# Altium PCB netv2mvp-testhat-v1-route.PCBDOC (part 2 of 2)
Units mm, origin at the board's own origin, x right, y up, seen from the top; angles counter-clockwise.
Board outline 90.8 x 114.86 mm, 4 copper layers (L1, L2, L5, L6), stack 1.561 mm thick; 144 components, 114 nets, 1118 pads, 195 vias.
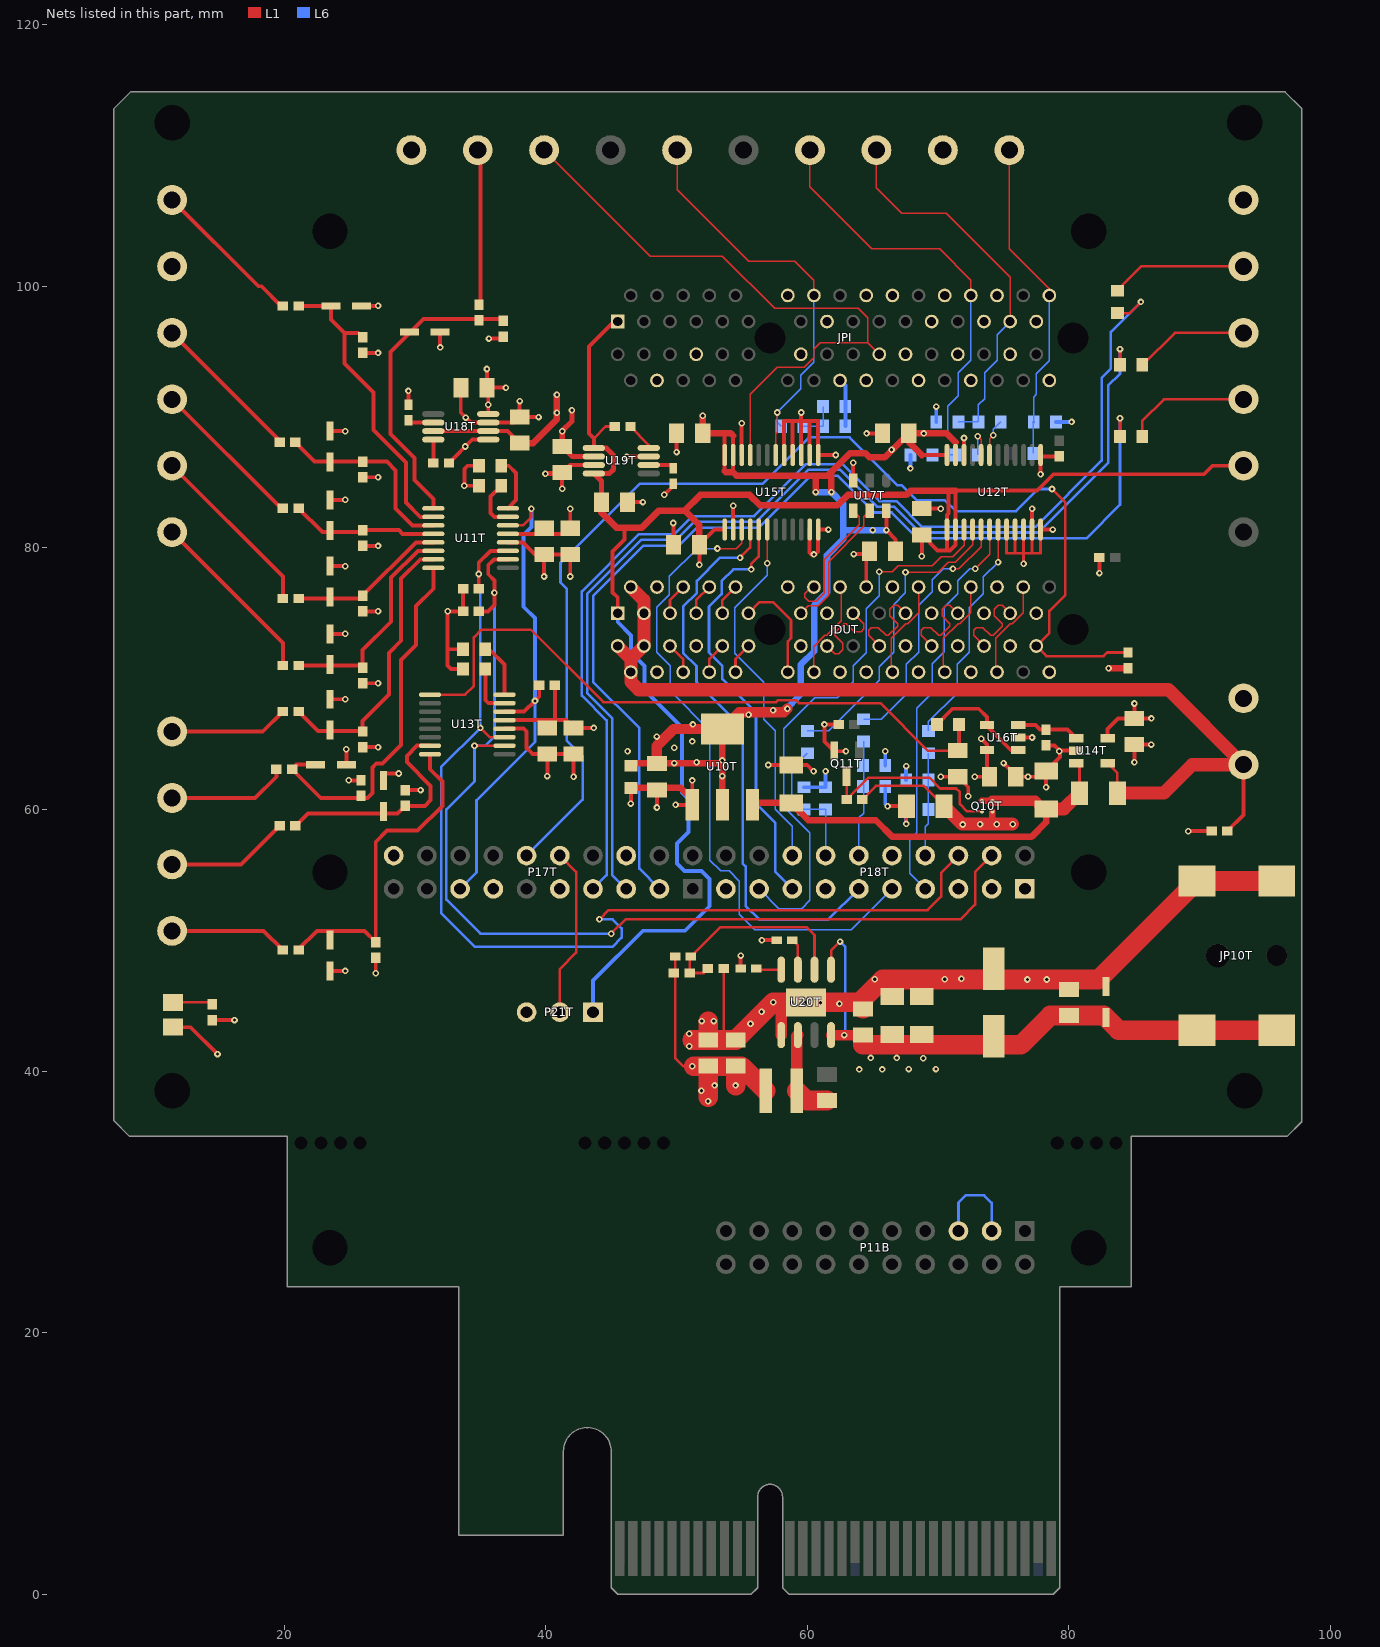
[diagram p4: the nets of this part, all layers, seen from the top]

## Via types
v1: diameter 0.5, hole 0.25, L1 to L6, 190 vias
v2: diameter 0.5, hole 0.25, L1 to L6, tented top, 5 vias

## Nets (pads, with @x,y where several pads share a name; then routed paths per layer and width w, separated by ;. In a path a pad name is that pad's centre, name@x,y a point inside that pad or via, vN(x,y) a via of type N, cw(c..) or ccw(c..) an arc to the next point about the centre after c; other vN are vias at no path point) (continued)
DUT_TCK_R: C25T.2 JPI.A32 P26T.1 R30T.1 | length 25
  L1 w0.1: P26T.1@75.438,110.41 75.438,102.862 78.5,99.8 JPI.A32@78.5,99.3
  L6 w0.1: R30T.1@77.275,87.225 C25T.2@77.275,89.6 ; C25T.2@77.3,89.625 77.3,91.525 77.5,91.725 77.5,93.3 78.5,94.3 JPI.A32@78.5,99.3
  L6 w0.2: C25T.2@77.275,89.6 C25T.2@77.3,89.625
DUT_TDI: R28T.2 U12T.20 | length 3
  L1 w0.1: v1(73.025,88.525) 73.275,88.275 U12T.20@73.275,87.1
  L6 w0.1: R28T.2@73.025,87.1 v1(73.025,88.525)
DUT_TDI_R: C23T.2 JPI.A26 P24T.2 R28T.1 | length 34.1
  L1 w0.1: P24T.2@60.198,110.41 60.198,107.602 64.938,102.862 70.113,102.862 72.5,100.475 JPI.A26@72.5,99.3
  L6 w0.1: C23T.2@69.575,87.1 R28T.1@71.325,87.1 71.325,88.025 70.725,88.625 70.725,90.835 71.525,91.635 71.525,93.375 72.475,94.325 JPI.A26@72.475,99.275
DUT_TDO: C32T.2 R50T.1 R51T.2 | length 3
  L6 w0.1: R50T.1@59.7,89.3 R51T.2@61.2,89.3 C32T.2@61.2,90.8
DUT_TDO_R: JPI.A14 P25T.2 R50T.2 U15T.18 | length 32.1
  L1 w0.1: P25T.2@50.038,110.41 50.038,107.362 55.5,101.9 59.05,101.9 60.5,100.45 JPI.A14@60.5,99.3 ; U15T.18@57.575,87.1 57.575,88.725 57.7,88.85 v1(57.7,90.35)
  L6 w0.1: R50T.2@58,89.3 57.7,89.6 v1(57.7,90.35) 59.5,92.15 59.5,93.2 60.5,94.2 JPI.A14@60.5,99.3
DUT_TMS: R29T.2 U12T.19 | length 2.9
  L1 w0.1: U12T.19@73.925,87.1 73.925,88.325 v1(74.2,88.6)
  L6 w0.1: v1(74.2,88.6) 74.2,89.05 R29T.2@74.775,89.625
DUT_TMS_R: C24T.2 JPI.A29 P24T.1 R29T.1 | length 29.5
  L1 w0.1: P24T.1@65.278,110.41 65.278,107.522 67.2,105.6 70.6,105.6 75.5,100.7 JPI.A29@75.5,97.3
  L6 w0.1: C24T.2@71.55,89.625 R29T.1@73.075,89.625 73.075,90.925 73.55,91.4 73.55,93.4 74.5,94.35 74.5,96.3 JPI.A29@75.5,97.3
DUT_TX: JPI.B19 P23T.2 U15T.21 | length 48.8
  L1 w0.1: P23T.2@39.878,110.41 47.988,102.3 53.5,102.3 57.5,98.3 63.9,98.3 64.6,97.6 64.6,95.7 ; U15T.21@55.625,87.1 55.625,91.725 57.7,93.8 59.75,93.8 60.5,94.55 60.5,95.2 61,95.7 64.6,95.7 ; JPI.B19@65.5,94.8 64.6,95.7
FPGA_DONE: P18T.11 U15T.4 | length 43.8
  L1 w0.2: v1(54.85,79.25) 55.625,80.025 U15T.4@55.625,81.4
  L6 w0.2: v1(54.85,79.25) 53.325,79.25 51.55,77.475 51.55,76.55 50.5,75.5 50.5,71.975 51.525,70.95 51.525,69.75 55.05,66.225 55.05,55.875 55.275,55.65 55.275,52.625 56.325,51.575 61.575,51.575 P18T.11@63.93,53.93
FPGA_INIT: P18T.15 U15T.5 | length 32.5
  L1 w0.2: v1(55.7,78.35) 55.7,78.75 56.275,79.325 U15T.5@56.275,81.4
  L6 w0.2: v1(55.7,78.35) 54.35,78.35 53.45,77.45 53.45,76.475 52.475,75.5 52.475,72 53.5,70.975 53.5,69.975 56.075,67.4 56.075,60.45 57.55,58.975 57.55,55.23 P18T.15@58.85,53.93
FPGA_PROGRAM_B: P18T.17 U12T.3 | length 43.3
  L1 w0.1: v1(65.5,78.175) 66.475,78.175 66.95,78.65 69.55,78.65 70.225,79.325 71.1,79.325 71.975,80.2 U12T.3@71.975,81.4
  L6 w0.1: P18T.17@56.31,53.93 57.815,52.425 59.55,52.425 60.175,53.05 60.175,58.2 58.175,60.2 58.175,66.175 60.55,68.55 62.3,68.55 63.5,69.75 63.5,70.975 64.5,71.975 64.5,75.35 65.5,76.35 v1(65.5,78.175)
FPGA_TCK: C10T.2 P18T.8 R10T.1 R11T.2 | length 7.9
  L6 w0.1: P18T.8@69.01,56.47 69.01,58.66 69.25,58.9 R11T.2@69.25,60 C10T.2@69.25,62.25 R10T.1@69.25,64.3
FPGA_TCK_R: R10T.2 U12T.7 | length 17.6
  L1 w0.1: v1(74.575,78.9) U12T.7@74.575,81.4
  L6 w0.1: R10T.2@69.25,66 69.25,66.7 71.45,68.9 71.45,71.1 72.38,72.03 72.38,75.405 73.45,76.475 73.45,77.775 v1(74.575,78.9)
FPGA_TDI: C15T.2 P18T.14 R14T.1 R17T.2 | length 10.5
  L6 w0.1: R14T.1@60,64.3 58.8,63.1 58.8,60.775 59.575,60 C15T.2@59.75,60 R17T.2@61.39,60 P18T.14@61.39,56.47
FPGA_TDI_R: R14T.2 U12T.4 | length 23.4
  L1 w0.1: v1(67.5,78.125) 70,78.125 70.775,78.9 71.3,78.9 72.625,80.225 U12T.4@72.625,81.4
  L6 w0.1: R14T.2@60,66 61.625,66 65.5,69.875 65.5,70.925 66.6,72.025 66.6,75.65 67.5,76.55 v1(67.5,78.125)
FPGA_TDO: P18T.16 U15T.6 | length 27.8
  L1 w0.1: v1(56.925,78.825) U15T.6@56.925,81.4
  L6 w0.1: v1(56.925,78.825) 56.925,77.9 54.45,75.425 54.45,71.95 56.663,69.737 56.663,66.887 57.525,66.025 57.525,60.025 58.85,58.7 P18T.16@58.85,56.47
FPGA_TMS: C16T.2 P18T.12 R15T.1 R18T.2 | length 8.9
  L6 w0.1: P18T.12@63.93,56.47 63.93,59.355 64.3,59.725 R15T.1@64.3,65.2
FPGA_TMS_R: R15T.2 U12T.5 | length 19.7
  L1 w0.1: v1(71.125,78.4) 71.575,78.4 73.275,80.1 U12T.5@73.275,81.4
  L6 w0.1: R15T.2@64.3,66.9 65.65,66.9 67.56,68.81 67.56,71.085 68.5,72.025 68.5,75.6 69.55,76.65 69.55,77.55 70.4,78.4 v1(71.125,78.4)
GND: C10T.1 C11T.2 C12T.2 C13T.1 C14T.2 C15T.1 C16T.1 C17T.2 C18T.2 C19T.2 C20T.2 C21T.1 C22T.1 C23T.1 C24T.1 C25T.1 C26T.2 C27T.2 C28T.2 C29T.2 C30T.2 C31T.2 C32T.1 C33T.2 C34T.2 C35T.2 C36T.2 C37T.1 C38T.1 C40T.2 C41T.1 C42T.1 C43T.2 C44T.2 C46T.2 C47T.2 C48T.2 C49T.2 D21T.2 JDUT.A4 JDUT.A12 JDUT.A15 JDUT.A18 JDUT.A20 JDUT.A23 JDUT.A24 JDUT.A27 JDUT.A28 JDUT.A31 JDUT.B4 JDUT.B7 JDUT.B13 JDUT.B16 JDUT.B18 JDUT.B21 JDUT.B22 JDUT.B25 JDUT.B26 JDUT.B29 JDUT.B32 JP10T.2 JP10T.3 JPI.A12 JPI.A15 JPI.A18 JPI.A20 JPI.A23 JPI.A24 JPI.A27 JPI.A28 JPI.A31 JPI.B4 JPI.B7 JPI.B13 JPI.B16 JPI.B18 JPI.B21 JPI.B22 JPI.B25 JPI.B26 JPI.B29 JPI.B32 P10T.2 P11T.2 P12T.2 P17T.6 P17T.9 P17T.13 P17T.20 P18T.5 P18T.10 P18T.13 P18T.19 P21T.3 P22T.2 P26T.2 Q11T.2 R11T.1 R13T.2 R17T.1 R18T.1 R20T.2 R21T.2 R22T.2 R23T.2 R25T.2 R27T.2 R34T.2 R38T.2 R40T.2 R42T.2 R43T.2 R44T.2 R46T.2 R49T.2 R51T.1 R53T.2 R56T.2 R61T.2 R63T.1 R64T.2 R65T.1 U10T.1 U11T.4 U12T.8 U12T.9 U12T.10 U12T.11 U12T.12 U12T.13 U12T.22 U13T.4 U14T.2 U15T.2 U15T.11 U15T.12 U15T.13 U15T.14 U15T.15 U15T.16 U15T.17 U15T.22 U16T.2 U17T.3 U18T.3 U19T.3 U20T.5 U20T.9 | length 227.1
  L1 w0.2: 53.6,42.471 R63T.1@53.6,47.83 ; U12T.8@75.225,81.4 75.225,79.575 75.875,79.575 ; U12T.9@75.875,81.4 75.875,79.575 ; v1(76.525,78.775) 76.525,79.575 ; U12T.10@76.525,81.4 76.525,79.575 ; U12T.11@77.175,81.4 77.175,79.575 ; U12T.12@77.825,81.4 77.825,79.575 77.175,79.575 ; 75.875,79.575 76.525,79.575 ; 76.525,79.575 77.175,79.575
  L1 w0.3: R64T.2@14.5,43.9 v1(16.2,43.9) ; v1(24.93,62.225) R46T.2@25.98,62.225 ; R49T.2@26,64.76 v1(27.175,64.76) ; R40T.2@26,69.65 v1(27.175,69.65) ; R42T.2@26,75.15 v1(27.175,75.15) ; R25T.2@26,80.15 v1(27.175,80.15) ; R34T.2@26,85.4 v1(27.175,85.4) ; R20T.2@26,94.9 v1(27.175,94.9) ; v1(27,47.475) R53T.2@27,48.65 ; R61T.2@29.25,61.48 v1(30.425,61.48) ; C37T.1@29.5,90.95 v1(29.5,92) ; C35T.2@33.5,92.25 33.5,90.35 34.275,89.575 U18T.3@35.6,89.575 C33T.2@37.575,89.575 ; R23T.2@34.9,84.75 v1(33.775,84.75) 33.775,86.025 34.03,86.28 R21T.2@34.9,86.28 ; v1(35.655,96) R13T.2@36.83,96 ; U13T.4@36.85,66.175 38.315,66.175 38.53,65.96 38.53,64.705 39,64.235 C20T.2@40.12,64.235 ; U11T.4@37.1,80.425 38.255,80.425 39.18,79.5 C19T.2@39.87,79.5 ; v1(38,91.225) C33T.2@38,90 v1(39.45,90) ; v1(39.87,77.81) C19T.2@39.87,79.5 ; v1(40.12,62.55) C20T.2@40.12,64.235 ; v1(41.25,84.525) C34T.2@41.25,85.75 41.83,86.33 U19T.3@43.671,86.33 ; v1(41.87,77.81) C11T.2@41.87,79.5 C19T.2@39.87,79.5 ; v1@42.12,62.55 C12T.2@42.12,64.235 C20T.2@40.12,64.235 ; C36T.2@46.25,83.5 v1(47.425,83.5) ; v1(46.5,60.45) R22T.2@46.5,61.65 ; v1(48.5,60.15) C14T.2@48.5,61.5 ; v1(49.05,84.05) 49.75,84.75 C38T.1@49.75,84.9 ; C17T.2@49.75,80.25 v1(49.75,81.9) ; v1(49.925,60.35) U10T.1@51.2,60.35 51.2,60.775 v1(51.2,62.22) ; v1(50,87.325) C27T.2@50,88.75 ; U15T.2@54.325,81.4 v1(54.325,83.225) ; C48T.2@54.9,47.83 v1(54.9,48.83) ; U15T.22@54.975,87.1 v1(54.975,89.525) ; v1(56.525,50.005) C49T.2@57.6,50.005 ; v1(57,63.4) C13T.1@58.75,63.4 59.99,63.4 v1(60.475,62.915) ; U15T.17@58.225,87.1 58.225,89.695 58.875,89.695 ; U15T.16@58.875,87.1 58.875,89.695 ; U15T.15@59.525,87.1 59.525,89.695 ; v1(59.525,90.35) 59.525,89.695 ; U15T.11@60.175,81.4 60.175,79.625 60.3,79.5 60.625,79.5 60.825,79.7 U15T.12@60.825,81.4 v1(61.61,81.4) ; U15T.14@60.175,87.1 60.175,89.695 ; v1(62.175,87.1) U15T.13@60.825,87.1 60.825,89.695 60.175,89.695 ; R38T.2@62.4,66.5 v1(61.3,66.5) 61.3,65.2 Q11T.2@62.05,64.45 v1(62.95,64.45) ; U17T.3@63.5,85.15 v1(63.5,86.5) ; v1(63.55,79.525) C30T.2@64.525,79.525 ; JDUT.A18@64.5,77 64.5,79.5 C30T.2@64.525,79.525 ; v1(64.525,88.75) C18T.2@65.75,88.75 ; C30T.2@64.75,79.75 C30T.2@64.525,79.525 ; v1(66.13,60.25) C21T.1@67.56,60.25 v1(67.56,58.89) ; C26T.2@68.75,83 v1(70.2,83) ; v1(70.2,62.5) C31T.2@71.5,62.5 72.3,61.7 v2(72.3,61) ; U12T.22@71.975,87.1 v1(71.975,88.4) ; v1(75,63.55) 75.93,62.62 C29T.2@75.93,62.5 C22T.1@77.8,62.5 ; U16T.2@76.13,65.5 v1(77.175,65.5) ; U12T.11@77.175,81.4 v1(77.175,83) ; U12T.12@77.825,81.4 v1(78.75,81.4) ; v1(77.825,85.625) U12T.13@77.825,87.1 ; U12T.13@77.925,87 R65T.1@79.25,87 ; v1(78.25,61.7) C22T.1@78.25,62.95 79.3,64 v1@79.3,64.5 ; R43T.2@78.25,64.9 78.9,64.9 v1@79.3,64.5 ; U14T.2@80.55,64.5 v1@79.3,64.5 ; v1(82.325,78.075) R56T.2@82.325,79.25 ; v1(85,63.6) C28T.2@85,64.96 v1(86.29,64.96) ; v1(89.11,58.34) R27T.2@90.9,58.34 ; 58.875,89.695 59.525,89.695 ; 59.525,89.695 60.175,89.695
  L1 w0.4: v1(39.975,85.675) C34T.2@41.15,85.675
  L1 w0.5: R22T.2@46.5,61.65 50.325,61.65 U10T.1@51.2,60.775 ; v1(83.025,70.8) R44T.2@84.5,70.8
  L1 w0.9: U20T.5@58,42.75 58,44.5
  L1 w1.5: 51.196,42.371 C47T.2@52.41,42.371 ; 52.41,43.8 C47T.2@52.41,42.371 ; C43T.2@64.25,44.75 63.75,45.25 v1(59.905,45.25) v1(58.8,45.25) v1(57.389,45.25) C46T.2@54.51,42.371 C47T.2@52.41,42.371 ; 64.25,45.5 65.75,47 v1(76.825,47) v1(78.3,47) 82.255,47 JP10T.3@89.785,54.53 JP10T.2@95.885,54.53
  L6 w0.3: C15T.1@59.75,61.7 R17T.1@61.39,61.7 v1(61.39,62.915) ; JPI.B16@62.5,92.8 62.9,92.4 R51T.1@62.9,89.3 ; C16T.1@65.95,61.75 65.95,60.43 v1(66.13,60.25) ; R18T.1@65.95,63.35 v1(65.95,64.45) ; R11T.1@67.55,60 67.55,58.9 v1(67.56,58.89) ; C10T.1@67.55,62.25 v1(67.55,63.315) ; v1(67.875,86.075) C23T.1@67.875,87.1 ; C24T.1@69.85,89.625 v1(69.85,90.8) ; C25T.1@79,89.625 v1(80.2,89.625)
  other v1: 50.975,41.9 50.975,42.85 55.65,43.625 51.925,43.825 52.85,43.825 56.5,44.525 62.45,45.15 61,45.225 65.15,47.025 70.5,47.025 71.775,47.05 42.12,62.5 76.865,62.5 79.25,64.45 60.5,79.5 33.888,89.963
I12V_ADC: C31T.1 R47T.2 U13T.9 | length 50.4
  L1 w0.2: U13T.9@31.15,68.775 33.825,68.775 34.5,69.45 34.5,73.15 35.1,73.75 38.85,73.75 44.4,68.2 57.6,68.2 57.75,68.35 59.135,68.35 59.36,68.125 65.575,68.125 69.2,64.5 C31T.1@71.5,64.5
  L1 w0.3: C31T.1@71.6,64.6 R47T.2@71.6,66.5
I12V_BUF: R47T.1 U16T.1 U16T.4 | length 8.4
  L1 w0.3: R47T.1@69.9,66.5 71.1,67.7 73.1,67.7 73.73,67.07 U16T.4@73.73,66.45 73.73,66.37 75.55,64.55 U16T.1@76.13,64.55
I12V_SENSE: R43T.1 U14T.1 U16T.3 | length 4.8
  L1 w0.3: U16T.3@76.13,66.45 77.425,66.45 77.775,66.1 R43T.1@78.25,66.1 79.9,66.1 U14T.1@80.55,65.45
LDOA_CC: C37T.2 U18T.6 | length 1.7
  L1 w0.3: C37T.2@29.675,89.575 U18T.6@31.4,89.575
LDOD_CC: C38T.2 U19T.6 | length 1.6
  L1 w0.3: U19T.6@47.871,86.33 C38T.2@49.52,86.33
LED0: P17T.3 R54T.2 | length 79.6
  L1 w0.2: R54T.2@83.9,88.525 v1(83.9,89.9)
  L6 w0.2: P17T.3@48.69,53.93 47.15,55.47 47.15,66.214 43.625,69.739 43.625,76.311 47.489,80.175 50.189,80.175 51.564,81.55 56.287,81.55 60.262,85.525 62.313,85.525 65.138,82.7 66.438,82.7 68.413,80.725 81.325,80.725 83.9,83.3 v1(83.9,89.9)
LED0_R: P19T.1 R54T.1 | length 9.6
  L1 w0.2: R54T.1@85.6,88.525 85.6,89.71 87.25,91.36 P19T.1@93.345,91.36
LED1: P17T.5 R55T.2 | length 82
  L1 w0.2: R55T.2@83.9,94 v1(83.9,95.2)
  L6 w0.2: P17T.5@46.15,53.93 45.075,55.005 45.075,66.975 43.175,68.875 43.175,76.498 47.302,80.625 50.002,80.625 51.377,82 56.101,82 60.076,85.975 62.499,85.975 65.324,83.15 66.624,83.15 68.599,81.175 77.675,81.175 83,86.5 83,92.4 83.9,93.3 v1(83.9,95.2)
LED1_R: P19T.2 R55T.1 | length 8.7
  L1 w0.2: R55T.1@85.65,94 88.09,96.44 P19T.2@93.345,96.44
LED2: P17T.7 R57T.2 | length 87.4
  L1 w0.2: R57T.2@83.7,97.95 84.65,97.95 v1(85.5,98.8)
  L6 w0.2: P17T.7@43.61,53.93 44.65,54.97 44.65,66.799 42.75,68.699 42.75,76.674 47.126,81.05 49.826,81.05 51.201,82.425 55.925,82.425 59.9,86.4 62.675,86.4 65.5,83.575 66.8,83.575 68.775,81.6 77.425,81.6 82.5,86.675 82.5,93 83.2,93.7 83.2,96.5 v1(85.5,98.8)
LED2_R: P22T.1 R57T.1 | length 10.3
  L1 w0.2: R57T.1@83.75,99.75 85.52,101.52 P22T.1@93.345,101.52
NetD20T_2: D20T.2 R64T.1 | length 2.9
  L1 w0.2: D20T.2@11.5,45.25 R64T.1@14.35,45.25
NetJDUT_A5: JDUT.A5 JDUT.A6 | length 2.4
  L1 w0.2: JDUT.A5@49.5,75 49.5,76 JDUT.A6@50.5,77
NetJDUT_A7: JDUT.A7 JDUT.A8 | length 2.4
  L1 w0.2: JDUT.A7@51.5,75 51.5,76 JDUT.A8@52.5,77
NetJDUT_A9: JDUT.A9 JDUT.A10 | length 2.4
  L1 w0.2: JDUT.A9@53.5,75 53.5,76 JDUT.A10@54.5,77
NetJDUT_A11: JDUT.A11 JDUT.B12 | length 8.3
  L1 w0.2: JDUT.A11@55.5,75 56.35,75.85 57.375,75.85 58.75,74.475 58.75,73.1 58.5,72.85 JDUT.B12@58.5,70.5
NetJDUT_B5: JDUT.B5 JDUT.B6 | length 2.4
  L1 w0.2: JDUT.B5@49.5,72.5 50.5,71.5 JDUT.B6@50.5,70.5
NetJDUT_B8: JDUT.B8 JDUT.B9 | length 2.4
  L1 w0.2: JDUT.B8@52.5,70.5 52.5,71.5 JDUT.B9@53.5,72.5
NetJDUT_B10: JDUT.B10 JDUT.B11 | length 2.4
  L1 w0.2: JDUT.B10@54.5,70.5 54.5,71.5 JDUT.B11@55.5,72.5
NetP11B_3: P11B.3 P11B.5 | length 7.3
  L6 w0.2: P11B.5@71.55,27.77 71.55,29.951 72.099,30.5 73.5,30.5 74.09,29.91 P11B.3@74.09,27.77
NetQ10T_1: Q10T.1 Q11T.3 R36T.1 | length 14.5
  L1 w0.2: Q11T.3@63,62.55 R36T.1@63,60.75 64.675,62.425 69.325,62.425 70.15,61.6 71.38,61.6 71.65,61.33 71.65,60.4 72.2,59.85 Q10T.1@73.35,59.85
NetR21T_1: R21T.1 U11T.8 | length 4.3
  L1 w0.3: R21T.1@36.6,86.28 37.17,86.28 37.725,85.725 37.725,83.65 U11T.8@37.1,83.025
NetR23T_1: R23T.1 U11T.7 | length 3.9
  L1 w0.3: R23T.1@36.6,84.75 35.775,83.925 35.775,82.675 36.075,82.375 U11T.7@37.1,82.375
NetR35T_1: R35T.1 U13T.8 | length 4.3
  L1 w0.3: R35T.1@35.375,72.25 35.675,72.25 36.85,71.075 U13T.8@36.85,68.775
NetR37T_1: R37T.1 U13T.7 | length 4
  L1 w0.3: R37T.1@35.375,70.75 35.375,68.35 35.6,68.125 U13T.7@36.85,68.125
NetR58T_1: R58T.1 U18T.8 | length 1.8
  L1 w0.3: R58T.1@31.4,86.5 U18T.8@31.4,88.275
NetR59T_1: R59T.1 U19T.8 | length 2.2
  L1 w0.2: R59T.1@46.475,89.275 47.871,87.879 U19T.8@47.871,87.63
P0.75VTT: P16T.1 R60T.1 | length 9.4
  L1 w0.3: P16T.1@11.43,55.8 16.7,55.8 R60T.1@19.65,58.75
P0.75VTT_ADC: D19T.2 R60T.2 R61T.1 U13T.15 | length 17.4
  L1 w0.3: R60T.2@20.85,58.75 21.805,59.705 27,59.705 28.675,59.705 R61T.1@29.25,60.28 30.755,60.28 31.2,60.725 31.2,61.8 29.375,63.625 29.375,64.1 30.15,64.875 U13T.15@31.15,64.875
P1.0V: P16T.2 R52T.1 | length 9.1
  L1 w0.3: P16T.2@11.43,50.72 18.43,50.72 R52T.1@19.9,49.25
P1.0V_ADC: D18T.2 R52T.2 R53T.1 U13T.16 | length 25.2
  L1 w0.3: R52T.2@21.1,49.25 21.1,49.32 22.5,50.72 26.13,50.72 R53T.1@27,49.85 27,57.525 27.85,58.375 30.2,58.375 32.1,60.275 32.1,62.125 31.15,63.075 U13T.16@31.15,64.225
P1.2E_SENSE: P15T.1 R48T.1 | length 9.1
  L1 w0.3: P15T.1@11.43,65.96 18.36,65.96 R48T.1@19.9,67.5
P1.2VE_ADC: D17T.2 R48T.2 R49T.1 U11T.15 | length 21.5
  L1 w0.3: R48T.2@21.1,67.5 22.6,66 R49T.1@25.96,66 ; R49T.1@26,65.96 26,66.775 28,68.775 28,71.975 28.925,72.9 28.925,77.65 30.4,79.125 U11T.15@31.4,79.125
P1.2VTT_ADC: D16T.2 R45T.2 R46T.1 U11T.16 | length 28.6
  L1 w0.3: D16T.2@22.4,63.425 20.95,63.425 R45T.2@20.6,63.075 22.795,60.88 26.38,60.88 26.75,61.25 26.75,63.212 27.037,63.5 27.5,63.5 28.925,64.925 28.925,71.425 30.075,72.575 30.075,75.55 31.4,76.875 U11T.16@31.4,78.475
P1.2VTT_SENSE: P15T.2 R45T.1 | length 9.1
  L1 w0.3: P15T.2@11.43,60.88 17.78,60.88 19.4,62.5 R45T.1@19.4,63
P1.5V_ADC: D15T.2 R41T.2 R42T.1 U11T.13 | length 11.8
  L1 w0.3: R41T.2@21.1,76.12 R42T.1@25.77,76.12 ; R42T.1@26,76.35 30.075,80.425 U11T.13@31.4,80.425
P1.5V_SENSE: P14T.1 R41T.1 | length 13.7
  L1 w0.3: P14T.1@11.43,86.28 19.9,77.81 R41T.1@19.9,76.12
P1.8V_ADC: D14T.2 R39T.2 R40T.1 U11T.14 | length 16.6
  L1 w0.3: R39T.2@21.1,71 R40T.1@25.85,71 ; R40T.1@26,70.85 26,72.175 28.175,74.35 28.175,77.725 30.225,79.775 U11T.14@31.4,79.775
P1.8V_SENSE: P14T.2 R39T.1 | length 13.7
  L1 w0.3: P14T.2@11.43,81.2 19.9,72.73 R39T.1@19.9,71
P3.3V_ADC: D12T.2 R24T.2 R25T.1 U11T.12 | length 11
  L1 w0.3: R24T.2@21.1,83.025 22.925,81.2 R25T.1@25.85,81.2 ; R25T.1@26,81.35 28.775,81.35 29.05,81.075 U11T.12@31.4,81.075
P3.3V_DUT: C14T.1 C18T.1 C27T.1 C30T.1 R22T.1 U10T.2 U10T.4 U12T.23 U12T.24 U15T.23 U15T.24 U17T.6 | length 89.6
  L1 w0.3: 53.675,85.875 U15T.24@53.675,87.1 53.675,88.75 ; 54.325,85.775 U15T.23@54.325,87.1 54.325,88.575 ; U17T.6@66.04,82.85 v1(66.04,81.36) 66.75,80.65 C30T.1@66.75,79.75 ; 68.75,87.1 U12T.24@70.675,87.1 ; U12T.23@71.325,87.1 71.325,88.075
  L1 w0.5: R22T.1@46.675,63.525 48.5,63.525 v1@53.5,63.525 ; v1(52,90.1) C27T.1@52,88.75 54.15,88.75 54.325,88.575 ; U10T.2@53.5,60.35 v1@53.5,63.525 ; U10T.4@53.5,66.15 v1@53.5,63.525 ; 53.675,85.875 53.775,85.775 54.325,85.775 54.6,85.5 61.525,85.5 61.838,85.813 ; v1(60.638,84.263) 60.638,85.437 ; v1(61.838,84.263) 61.838,85.813 ; 68.75,87.1 67.75,88.1 C18T.1@67.75,88.75 ; 71.325,88.075 70.65,88.75 C18T.1@67.75,88.75 ; 61.838,85.813 63.275,87.25 64.425,87.25 64.75,86.925 65.925,86.925 C18T.1@67.75,88.75
  L1 w0.8: C14T.1@48.5,63.5 48.5,63.525 48.5,64.85 49.8,66.15 U10T.4@53.5,66.15 54.775,67.425 58.2,67.425 v1(58.475,67.7)
  L6 w0.5: v1(57.375,67.575) 58.275,67.575 59.5,68.8 59.5,71.075 60.525,72.1 60.525,75.625 61.5,76.6 61.5,79.425 62.725,80.65 62.725,83.375 v1(61.838,84.263) v1(60.638,84.263) ; 62.76,81.36 v1(66.04,81.36)
  other v1: 53.5,62.55 49.826,63.55 51.525,63.6 53.5,63.75 46.25,64.45 49.826,64.715 51.2,65.2 48.475,65.575 51.25,66.5 55.5,67.25 65,81.36 66.438,87.5 68.9,88.75
P3.3V_SENSE: P13T.2 R24T.1 | length 12
  L1 w0.3: P13T.2@11.43,91.36 R24T.1@19.9,82.89
P3.3VA: C11T.1 C12T.1 C19T.1 C20T.1 C28T.1 C29T.1 C35T.1 D10T.1 D11T.1 D12T.1 D13T.1 D14T.1 D15T.1 D16T.1 D17T.1 D18T.1 D19T.1 R16T.2 R31T.2 R32T.2 R35T.2 R37T.2 R58T.2 U11T.5 U13T.5 U14T.5 U16T.5 U18T.1 U18T.4 | length 56
  L1 w0.3: D18T.1@23.5,47.655 v1(24.675,47.655) ; D17T.1@23.5,68.425 v1(24.675,68.425) ; D14T.1@23.5,73.425 v1(24.675,73.425) ; D15T.1@23.5,78.6 v1(24.675,78.6) ; D12T.1@23.5,83.675 v1(24.675,83.675) ; D13T.1@23.5,88.925 v1(24.675,88.925) ; D16T.1@24.75,63.425 v1(24.75,64.6) ; D11T.1@26,98.5 v1(27.175,98.5) ; D19T.1@27.6,62.205 27.6,62.65 27.7,62.75 v1(28.75,62.75) ; v1(31.925,95.325) D10T.1@31.925,96.5 ; R58T.2@32.6,86.5 34.375,88.275 U18T.1@35.6,88.275 ; R37T.2@33.675,70.75 32.75,70.75 32.5,71 32.5,72.25 ; R35T.2@33.675,72.25 32.5,72.25 ; R31T.2@33.675,76.875 R32T.2@33.675,75.15 v1(32.5,75.15) 32.5,72.25 ; v1(35.5,93.675) C35T.1@35.5,92.25 v1(36.95,92.25) ; U18T.4@35.6,90.225 C35T.1@35.6,92.15 ; U13T.5@36.85,66.825 40.7,66.825 ; U11T.5@37.1,81.075 41.445,81.075 C11T.1@41.87,81.5 v1(41.87,83) ; 40.7,66.815 40.7,66.825 ; R16T.2@40.7,69.5 40.7,66.825 ; v1(43.671,66.235) C12T.1@42.12,66.235 41.53,66.825 40.7,66.825 ; v1(72.8,62.5) C29T.1@73.93,62.5 ; v1(73.3,65.4) 73.73,64.97 U16T.5@73.73,64.55 C29T.1@73.73,62.7 ; U14T.5@82.95,65.45 82.95,66.15 83.76,66.96 C28T.1@85,66.96 ; v1(85,68.1) C28T.1@85,66.96 ; v1(86.3,66.96) C28T.1@85,66.96